# Altium PCB OZ440-SE100-CAR003.PcbDoc (part 3 of 5)
Units mm, origin at the board's own origin, x right, y up, seen from the top; angles counter-clockwise.
Board outline 187.5 x 145 mm, 6 copper layers (Top Layer, Mid-Layer 1, Mid-Layer 2, Mid-Layer 3, Mid-Layer 4, Bottom Layer), stack 1.444 mm thick; 326 components, 302 nets, 1483 pads, 1041 vias.
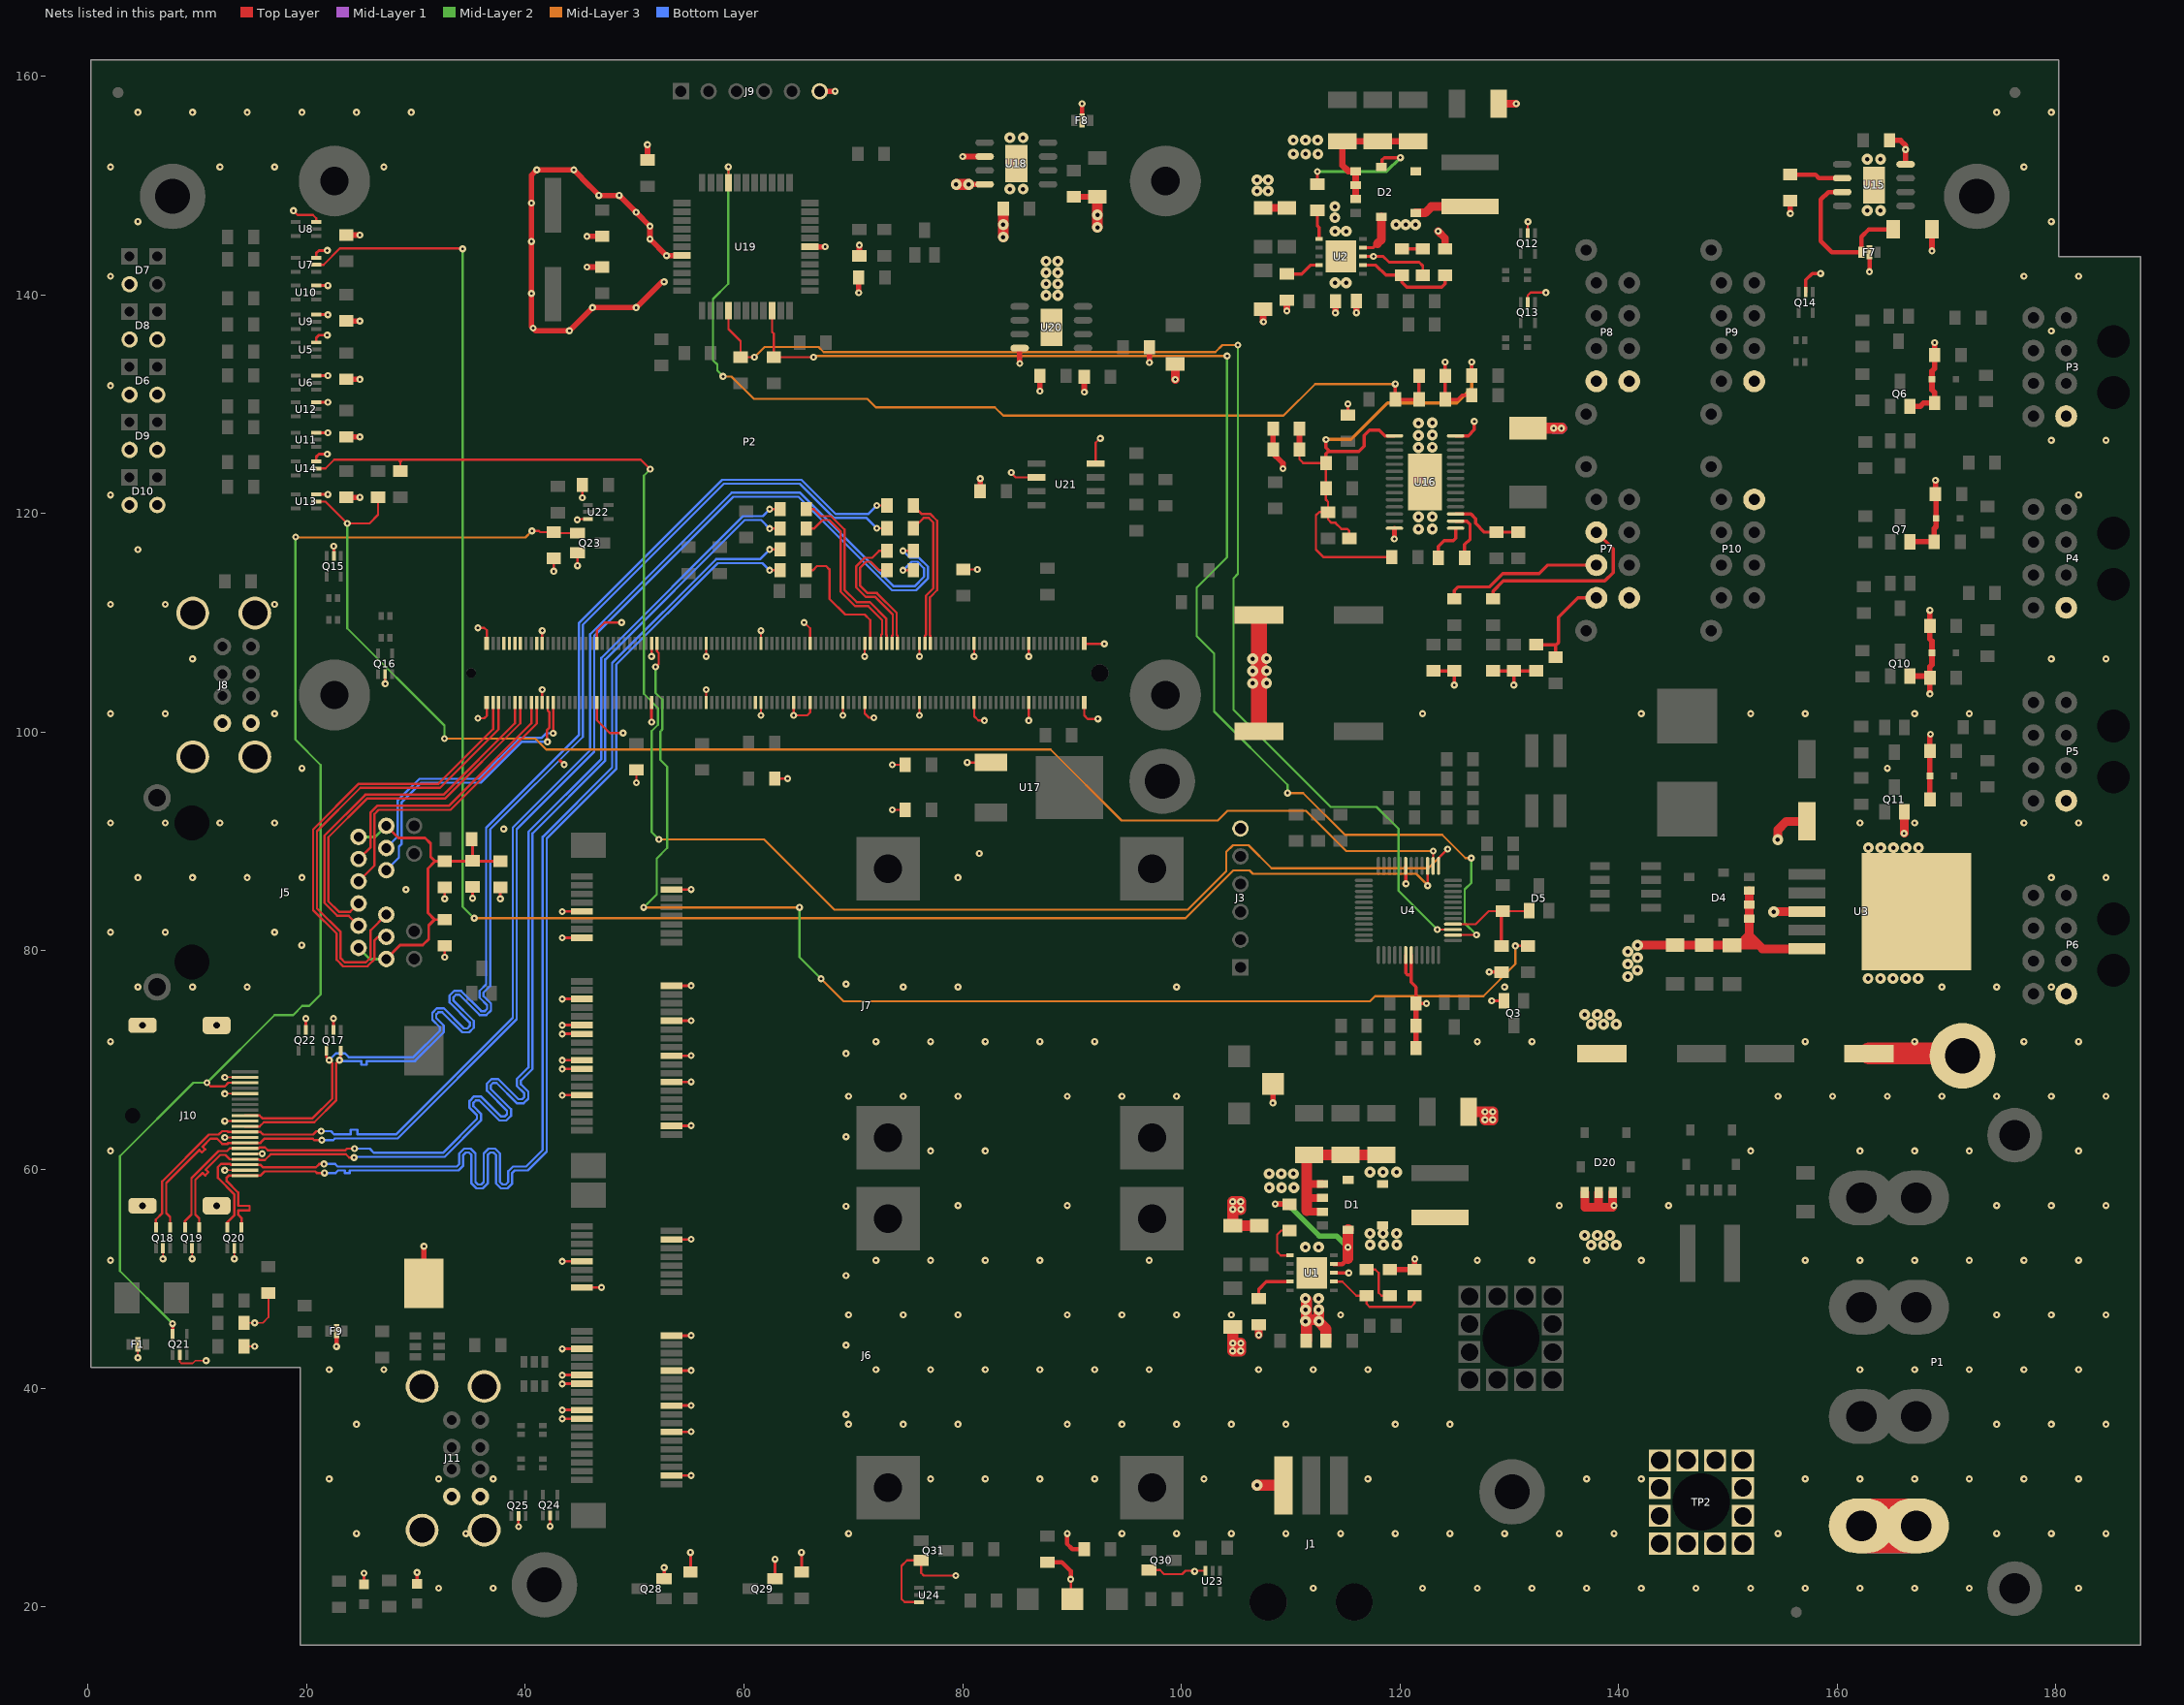
[diagram p7: the nets of this part, all layers, seen from the top]

## Via types
v1: diameter 0.65, hole 0.25, Top Layer to Bottom Layer, tented both sides, 815 vias
v2: diameter 1, hole 0.4, Top Layer to Bottom Layer, tented both sides, 222 vias
v3: diameter 1.1, hole 1.1, Top Layer to Bottom Layer, tented both sides, 2 vias
v4: diameter 1.6, hole 1.6, Top Layer to Bottom Layer, tented both sides, 2 vias

## Nets (pads, with @x,y where several pads share a name; then routed paths per layer and width w, separated by ;. In a path a pad name is that pad's centre, name@x,y a point inside that pad or via, vN(x,y) a via of type N, cw(c..) or ccw(c..) an arc to the next point about the centre after c; other vN are vias at no path point) (continued)
DPX_LANE0_P: C67.2 P2.B71 | length 11.8
  Top Layer w0.21: C67.2@65.703,114.808 66.294,114.808 66.675,115.189 67.523,115.189 67.818,114.894 67.818,112.204 69.257,110.765 71.041,110.765 71.552,110.254 P2.B71@71.552,108.11
DPX_LANE1_N: C70.2 P2.B74 | length 17
  Top Layer w0.21: C70.2@65.703,120.396 66.395,120.396 67.03,119.762 67.967,119.762 69.194,118.535 69.194,113.018 70.325,111.887 71.523,111.887 73.004,110.406 73.004,108.945 73.052,108.897 P2.B74@73.052,108.11
DPX_LANE1_P: C69.2 P2.B73 | length 16.5
  Top Layer w0.21: C69.2@65.703,118.618 66.395,118.618 67.179,119.402 67.818,119.402 68.834,118.386 68.834,112.869 70.176,111.527 71.374,111.527 72.644,110.257 72.644,108.989 72.552,108.897 P2.B73@72.552,108.11
DPX_LANE2_N: C72.2 P2.B76 | length 11.9
  Top Layer w0.21: C72.2@73.095,114.808 72.364,114.808 71.58,115.592 71.19,115.592 70.612,115.014 70.612,113.411 71.297,112.726 72.158,112.726 73.969,110.915 73.969,108.904 74.052,108.821 P2.B76@74.052,108.11
DPX_LANE2_P: C71.2 P2.B75 | length 12.4
  Top Layer w0.21: C71.2@73.095,116.586 72.364,116.586 71.73,115.952 71.041,115.952 70.252,115.163 70.252,113.262 71.148,112.366 72.009,112.366 73.609,110.766 73.609,108.878 73.552,108.821 P2.B75@73.552,108.11
DPX_LANE3_N: C74.2 P2.B82 | length 14.3
  Top Layer w0.21: C74.2@75.495,120.732 76.278,119.95 ; 76.278,119.95 77.06,119.95 77.678,119.333 77.678,113.005 77.013,112.341 77.013,108.86 77.052,108.821 P2.B82@77.052,108.11
DPX_LANE3_P: C73.2 P2.B81 | length 13.8
  Top Layer w0.21: C73.2@75.495,118.658 76.427,119.59 76.911,119.59 77.318,119.184 77.318,113.154 76.653,112.49 76.653,108.922 76.552,108.821 P2.B81@76.552,108.11
DPX_UF_LANE0_N: C68.1 J10.3 Q20.5 | length 115.2
  Top Layer w0.21: Q20.5@12.743,54.703 12.743,55.161 13.383,55.801 13.383,57.737 11.884,59.236 11.884,60.223 12.169,60.508 13,60.508 13.081,60.427 14.358,60.427 J10.3@14.367,60.436 15.77,60.436 16.016,60.191 ; 16.016,60.191 20.846,60.191 21.158,60.503 v1(21.59,60.503) ; v1(62.357,116.713) C68.1@63.303,116.713
  Bottom Layer w0.21: v1(21.59,60.503) 22.606,60.503 22.835,60.274 23.935,60.274 33.734,60.274 33.965,60.505 33.965,61.473 34.406,61.914 35.004,61.914 35.445,61.473 35.445,58.865 35.676,58.634 35.974,58.634 36.205,58.865 36.205,61.473 36.646,61.914 37.244,61.914 37.685,61.473 37.685,58.865 37.916,58.634 38.214,58.634 38.445,58.865 38.445,59.833 38.886,60.274 40.075,60.274 41.601,61.8 41.601,90.421 47.951,96.771 47.951,106.321 57.454,115.824 61.467,115.824 ; 61.472,115.828 v1(62.357,116.713)
DPX_UF_LANE0_P: C67.1 J10.1 Q20.4 | length 115.5
  Top Layer w0.21: Q20.4@14.043,54.703 14.043,55.576 13.743,55.876 13.743,56.261 14.783,56.261 14.783,56.681 13.743,56.681 13.743,57.886 12.696,58.934 12.696,59.257 12.875,59.436 J10.1@14.367,59.436 15.77,59.436 16.165,59.831 20.799,59.831 20.944,59.686 v1(21.641,59.686) ; v1(62.357,114.808) C67.1@63.303,114.808
  Bottom Layer w0.21: v1(21.641,59.686) 22.657,59.686 22.885,59.914 23.515,59.914 23.515,59.674 23.935,59.674 23.935,59.914 33.884,59.914 34.325,60.356 34.325,61.324 34.556,61.554 34.854,61.554 35.085,61.324 35.085,58.716 35.526,58.274 36.124,58.274 36.565,58.716 36.565,61.324 36.796,61.554 37.094,61.554 37.325,61.324 37.325,58.716 37.766,58.274 38.364,58.274 38.805,58.716 38.805,59.684 39.036,59.914 40.224,59.914 41.961,61.651 41.961,90.272 48.311,96.622 48.311,106.172 57.603,115.464 61.701,115.464 v1(62.357,114.808)
DPX_UF_LANE1_N: C70.1 J10.6 Q19.5 | length 113.7
  Top Layer w0.21: Q19.5@8.881,54.703 8.881,55.294 9.467,55.88 9.467,59.194 11.964,61.691 12.73,61.691 ; 12.731,61.691 12.976,61.936 J10.6@14.367,61.936 15.616,61.936 15.704,62.024 16.185,62.024 16.443,61.766 23.546,61.766 23.691,61.911 v1(24.388,61.911) ; v1(62.357,120.396) C70.1@63.303,120.396
  Bottom Layer w0.21: v1(24.388,61.911) 25.769,61.911 26.162,61.519 32.475,61.519 35.585,64.629 35.585,64.955 34.901,65.64 34.901,66.264 35.323,66.686 35.947,66.686 37.791,64.842 38.117,64.842 38.329,65.054 38.329,65.38 36.485,67.224 36.485,67.848 36.907,68.27 37.531,68.27 39.375,66.426 39.701,66.426 39.913,66.637 39.913,66.964 39.228,67.648 39.228,68.272 40.303,69.347 40.303,90.901 46.96,97.558 46.96,106.8 59.922,119.762 61.722,119.762 ; 61.723,119.762 v1(62.357,120.396)
DPX_UF_LANE1_P: C69.1 J10.4 Q19.4 | length 113.7
  Top Layer w0.21: Q19.4@10.181,54.703 10.181,55.526 9.827,55.88 9.827,59.045 10.48,59.698 10.72,59.457 11.017,59.754 10.777,59.995 12.113,61.331 12.581,61.331 12.976,60.936 J10.4@14.367,60.936 15.633,60.936 15.704,60.864 16.185,60.864 16.726,61.406 23.546,61.406 ; 23.593,61.406 23.905,61.094 v1(24.337,61.094) ; v1(62.357,118.618) C69.1@63.303,118.618
  Bottom Layer w0.21: v1@24.337,61.159 32.624,61.159 35.945,64.48 35.945,65.104 35.261,65.789 35.261,66.115 35.472,66.326 35.798,66.326 37.642,64.482 38.267,64.482 38.689,64.904 38.689,65.529 36.845,67.373 36.845,67.699 37.056,67.91 37.382,67.91 39.226,66.066 39.85,66.066 40.273,66.488 40.273,67.113 39.588,67.797 39.588,68.123 40.663,69.198 40.663,90.752 47.32,97.409 47.32,106.651 60.071,119.402 61.573,119.402 v1(62.357,118.618)
DPX_UF_LANE2_N: C72.1 J10.9 Q18.5 | length 126.1
  Top Layer w0.21: Q18.5@6.214,54.703 6.214,55.421 6.8,56.007 6.8,58.916 11.075,63.191 11.963,63.191 12.279,63.508 12.76,63.508 12.831,63.436 J10.9@14.367,63.436 15.77,63.436 16.016,63.191 ; 16.016,63.191 20.595,63.191 20.907,63.503 v1(21.339,63.503) ; v1(74.549,114.808) C72.1@75.495,114.808
  Bottom Layer w0.21: v1(21.339,63.503) 22.222,63.503 22.521,63.204 24.046,63.204 24.046,63.644 24.656,63.644 24.656,63.204 28.178,63.204 38.858,73.884 38.858,91.284 45.944,98.371 45.944,108.963 58.88,121.899 65.147,121.899 73.703,113.342 75.598,113.342 76.479,114.224 76.479,114.982 75.87,115.592 75.333,115.592 v1(74.549,114.808)
DPX_UF_LANE2_P: C71.1 J10.7 Q18.4 | length 126.4
  Top Layer w0.21: Q18.4@7.514,54.703 7.514,55.653 7.16,56.007 7.16,58.767 10.185,61.792 10.425,61.551 10.722,61.848 10.482,62.089 11.224,62.831 11.796,62.831 12.279,62.348 12.76,62.348 12.848,62.436 J10.7@14.367,62.436 15.77,62.436 16.165,62.831 20.547,62.831 20.693,62.686 v1(21.389,62.686) ; v1(74.549,116.586) C71.1@75.495,116.586
  Bottom Layer w0.21: v1(21.389,62.686) 22.428,62.686 22.587,62.844 28.327,62.844 39.218,73.735 39.218,91.135 46.304,98.222 46.304,108.814 59.03,121.539 64.997,121.539 73.554,112.982 75.747,112.982 76.839,114.075 76.839,115.132 76.019,115.952 75.184,115.952 v1(74.549,116.586)
DPX_UF_LANE3_N: C74.1 J10.12 Q17.4 | length 113.9
  Top Layer w0.21: J10.12@14.367,64.936 15.694,64.936 15.94,64.691 20.555,64.691 22.352,66.488 22.352,69.723 v1(22.073,70.002) 21.814,70.261 Q17.4@21.814,70.871 ; v1(72.149,120.732) C74.1@73.095,120.732
  Bottom Layer w0.21: v1(22.073,70.002) 22.708,70.637 23.495,70.637 23.851,70.282 29.768,70.282 32.182,72.696 32.182,73.022 31.498,73.707 31.498,74.331 31.92,74.753 32.544,74.753 34.388,72.909 34.714,72.909 34.926,73.121 34.926,73.447 33.082,75.291 33.082,75.915 33.504,76.337 34.128,76.337 35.972,74.493 36.298,74.493 36.51,74.704 36.51,75.031 35.825,75.715 35.825,76.339 36.424,76.938 36.424,91.245 44.903,99.724 44.903,109.975 58.016,123.088 65.264,123.088 68.402,119.95 71.366,119.95 v1(72.149,120.732)
DPX_UF_LANE3_P: C73.1 J10.10 Q17.5 | length 113.9
  Top Layer w0.21: J10.10@14.367,63.936 15.694,63.936 16.089,64.331 20.704,64.331 22.712,66.339 22.712,69.723 23.002,70.013 23.114,70.125 Q17.5@23.114,70.871 ; v1(72.149,118.658) C73.1@73.095,118.658
  Bottom Layer w0.21: v1(23.012,70.002) 23.093,69.922 24.993,69.922 24.993,69.582 25.503,69.582 25.503,69.922 29.917,69.922 32.542,72.547 32.542,73.171 31.858,73.856 31.858,74.182 32.069,74.393 32.395,74.393 34.239,72.549 34.864,72.549 35.286,72.971 35.286,73.596 33.442,75.44 33.442,75.766 33.653,75.977 33.979,75.977 35.823,74.133 36.447,74.133 36.87,74.555 36.87,75.18 36.185,75.864 36.185,76.19 36.784,76.789 36.784,91.095 45.263,99.575 45.263,109.826 58.165,122.728 65.115,122.728 68.253,119.59 71.217,119.59 v1(72.149,118.658)
FDC_IN1: P7.7 R77.2 | length 14.7
  Top Layer w0.3: R77.2@124.969,112.198 124.969,112.955 125.298,113.284 128.169,113.284 129.388,114.503 132.74,114.503 133.522,115.285 P7.7@137.97,115.285
FDC_IN2: P7.6 R78.2 | length 16.7
  Top Layer w0.3: R78.2@128.509,112.198 128.509,112.888 129.464,113.843 138.735,113.843 139.497,114.605 139.497,116.758 P7.6@137.97,118.285
HOT_PLUG_CN: J10.18 Q21.5 Q23.1 R104.2 | length 115.6
  Top Layer w0.2: v1(10.894,67.945) 11.224,67.615 12.52,67.615 12.841,67.936 J10.18@14.367,67.936 ; v1(40.615,118.415) 41.25,118.415 41.377,118.288 R104.2@42.601,118.288 ; R104.2@42.607,118.294 R104.2@42.601,118.288 ; Q23.1@44.777,118.202 42.687,118.202 R104.2@42.601,118.288
  Top Layer w0.3: Q21.5@7.747,44.953 v1(7.747,45.898)
  Mid-Layer 2 w0.2: v1(7.747,45.898) 2.921,50.724 2.921,61.214 9.652,67.945 v1(10.894,67.945) 17.066,74.117 18.771,74.117 19.609,74.955 20.244,74.955 21.285,75.997 21.285,97.003 18.974,99.314 18.974,117.653 19.126,117.805 19.075,117.856 v1(18.999,117.856)
  Mid-Layer 3 w0.2: v1(18.999,117.856) 19.05,117.805 40.005,117.805 v1(40.615,118.415)
I2C_CLK: R94.1 U4.39 U19.37 | length 116.3
  Top Layer w0.2: U19.37@58.579,138.549 58.579,136.874 59.69,135.763 R94.1@59.69,134.296 v1(60.96,134.296) ; v1(123.419,81.943) U4.39@124.852,81.943
  Mid-Layer 2 w0.2: v1(105.181,135.407) 105.181,114.478 104.775,114.071 104.775,102.057 113.665,93.167 117.856,93.167 119.863,91.161 119.863,85.499 v1(123.419,81.943)
  Mid-Layer 3 w0.2: v1(60.96,134.296) 61.894,135.23 66.827,135.23 67.29,134.767 103.118,134.767 103.759,135.407 v1(105.181,135.407)
I2C_DAT: R95.1 U4.38 U19.42 | length 119.5
  Top Layer w0.2: U19.42@62.579,138.549 62.586,138.542 62.586,136.601 62.738,136.449 R95.1@62.738,134.296 v1(66.37,134.296) ; U4.38@124.852,81.443 124.867,81.458 v1(127,81.458)
  Mid-Layer 2 w0.2: v1(104.191,134.417) 104.191,116.002 101.406,113.217 101.406,108.779 102.997,107.188 102.997,101.905 109.728,95.174 v1(109.728,94.437) ; v1(126.517,88.494) 126.517,86.208 125.933,85.623 125.933,82.525 v1(127,81.458)
  Mid-Layer 3 w0.2: v1(66.37,134.296) 66.491,134.417 v1(104.191,134.417) ; v1(109.728,94.437) 111.15,94.437 114.97,90.618 123.86,90.618 125.984,88.494 v1(126.517,88.494)
LED2_OC: R64.1 U4.2 U13.2 | length 128.6
  Top Layer w0.2: U13.2@20.889,121.101 21.723,121.101 v1(23.724,119.101) 25.756,119.101 26.543,119.888 R64.1@26.543,121.482 ; U4.2@123.027,87.768 123.038,87.779 v1(123.038,89.129)
  Mid-Layer 2 w0.2: v1(23.724,119.101) 23.724,109.499 32.611,100.612 v1(32.611,99.418)
  Mid-Layer 3 w0.2: v1(32.611,99.418) 40.917,99.418 41.926,98.409 88.053,98.409 94.539,91.923 103.327,91.923 104.216,92.812 111.404,92.812 115.087,89.129 v1(123.038,89.129)
LED3_OC: R82.1 U4.1 U14.2 | length 149.7
  Top Layer w0.2: U14.2@20.889,124.119 21.735,124.119 22.533,124.917 28.372,124.917 ; R82.1@28.575,123.882 28.575,124.714 ; 28.829,124.917 50.571,124.917 v1(51.435,124.054) ; U4.1@123.527,87.768 123.527,88.475 v1(124.358,89.306) ; 28.372,124.917 28.575,124.714 ; 28.372,124.917 28.575,124.917 ; 28.575,124.714 28.575,124.917 ; 28.575,124.714 28.778,124.917 28.575,124.917
  Mid-Layer 2 w0.2: v1(51.435,124.054) 50.851,123.469 50.851,103.505 52.141,102.215 52.141,100.679 51.562,100.1 51.562,90.856 v1(52.222,90.195)
  Mid-Layer 3 w0.2: v1(52.222,90.195) 61.849,90.195 68.275,83.769 100.584,83.769 104.115,87.3 104.115,89.052 104.724,89.662 106.147,89.662 108.255,87.554 122.606,87.554 v1(124.358,89.306)
LOGIC_POWER.GND_1: C1.2 C2.2 C3.2 C5.1 C6.1 C7.1 C8.1 C10.1 C11.1 C12.2 C13.2 C14.2 C16.1 C17.1 C18.1 C19.1 C21.1 C22.1 C23.1 C24.1 C25.1 C26.2 C27.1 C28.1 C29.1 C30.1 C31.1 C32.1 C33.1 C34.1 C35.1 C36.1 C37.1 C38.1 C39.1 C40.1 C41.1 C42.1 C43.1 C44.1 C46.2 C48.1 C49.1 C50.2 C51.1 C52.1 C53.1 C54.1 C55.1 C56.1 C57.1 C58.1 C59.1 C60.1 C61.2 C62.1 C63.1 C64.1 C65.1 C66.1 C75.1 C76.2 C77.2 C78.1 C79.1 D1.1 D1.2 D1.3 D2.1 D2.2 D2.3 D4.1 D4.2 D4.3 D6.K1 D6.K2 D7.K1 D8.K1 D8.K2 D9.K1 D9.K2 D10.K1 D10.K2 D11.A D12.A D13.A D14.A D17.2 D18.2 D20.1 D20.2 D20.3 F1.3 F7.3 F8.3 F9.3 J1.3 J2.2 J3.6 J6.4 J6.9 J6.15 J6.18 J6.21 J6.26 J6.27 J6.29 J6.34 J6.35 J6.37 J6.40 J6.50 J7.4 J7.9 J7.15 J7.18 J7.21 J7.26 J7.27 J7.29 J7.34 J7.35 J7.37 J7.40 J7.43 J7.50 J8.A4 J8.B4 J8.M1 J8.M2 J8.M3 J8.M4 J9.6 J10.2 J10.5 J10.8 J10.11 J10.16 J10.19 J10.M1 J10.M2 J10.M3 J10.M4 J11.A4 J11.B4 J11.M1 J11.M2 J11.M3 J11.M4 P1.4 P2.A1 P2.A11 P2.A21 P2.A31 P2.A41 P2.A51 P2.A57 P2.A60 P2.A66 P2.A70 P2.A80 P2.A90 P2.A100 P2.A110 P2.B1 P2.B11 P2.B21 P2.B31 P2.B41 P2.B51 P2.B60 P2.B70 P2.B80 P2.B90 P2.B100 P2.B110 P3.1 P4.1 P5.1 P6.1 P7.4 P8.4 P8.8 P9.4 P10.1 pad.0@171.45,70.403 Q3.2 Q6.2 Q7.2 Q10.2 Q11.2 Q12.2 Q13.2 Q14.2 Q15.2 Q16.2 Q17.2 Q18.2 Q19.2 Q20.2 Q21.2 Q22.2 Q23.2 Q24.2 Q25.2 Q28.2 Q29.2 Q30.2 Q31.2 R1.1 R2.1 R5.1 R6.2 R7.1 R9.1 R10.2 R11.1 R13.2 R24.1 R25.1 R43.1 R50.1 R57.1 R60.1 R63.1 R67.1 R73.1 R74.1 R76.1 R79.1 R80.1 R86.1 R96.1 R101.1 R102.1 R104.1 R111.1 R112.1 R113.1 TP2.1 TP5.1 TP_GND_CAN.1 U1.8 U1.11 U2.8 U2.11 U3.3 U3.5 U3.6 U4.7 U4.30 U4.31 U5.3 U6.3 U7.3 U8.3 U9.3 U10.3 U11.3 U12.3 U13.3 U14.3 U15.4 U15.9 U16.14 U16.28 U16.29 U17.1 U18.2 U18.4 U18.9 U19.6 U19.29 U20.4 U20.9 U21.2 U21.8 U22.3 U23.3 U24.3 | length 505.9
  Top Layer w0.15: v1(4.572,42.786) F1.3@4.572,43.764 ; v1(6.864,51.825) Q18.2@6.864,52.803 ; Q21.2@8.397,43.053 8.397,42.403 8.534,42.266 9.576,42.266 9.83,42.52 v1(10.808,42.52) ; v1(9.531,51.825) Q19.2@9.531,52.803 ; v1(12.519,59.928) 12.528,59.936 J10.2@14.367,59.936 ; v1(12.519,62.928) 12.528,62.936 J10.8@14.367,62.936 ; v1(12.519,64.428) 12.528,64.436 J10.11@14.367,64.436 ; v1(12.519,66.928) 12.528,66.936 J10.16@14.367,66.936 ; v1(12.519,68.428) 12.528,68.436 J10.19@14.367,68.436 ; v1(13.393,51.825) Q20.2@13.393,52.803 ; J10.5@14.097,61.436 J10.5@14.367,61.436 15.936,61.436 v1(15.945,61.444) ; R102.1@14.281,43.819 v1(15.259,43.819) ; R101.1@14.281,45.977 v1(15.259,45.977) 16.005,45.977 16.51,46.482 C79.1@16.51,48.711
  Top Layer w0.2: v1(18.796,147.701) 19.177,147.32 20.574,147.32 20.889,147.005 U8.3@20.889,146.678 ; v1(35.662,101.27) 36.253,101.27 36.477,101.493 P2.A1@36.477,102.71 ; v1(35.662,109.55) 36.253,109.55 36.477,109.327 P2.B1@36.477,108.11 ; P2.A11@41.552,102.71 41.552,103.884 v1(41.554,103.886) ; P2.B11@41.552,108.11 41.552,109.284 v1(41.554,109.286) ; v1(42.605,114.718) 42.607,114.72 R104.1@42.607,115.894 ; v1(44.755,119.431) 44.816,119.492 U22.3@45.721,119.492 ; v1(44.775,115.226) 44.777,115.228 Q23.2@44.777,116.402 ; v1(45.215,121.449) 45.217,121.451 C75.1@45.217,122.625 ; P2.A21@46.552,102.71 46.552,101.098 47.721,99.929 48.94,99.929 v1(48.946,99.924) ; P2.B21@46.552,108.11 46.552,109.315 47.269,110.033 v1(48.819,110.033) ; v1(50.163,95.377) 50.165,95.379 R2.1@50.165,96.553 ; v1(51.55,106.934) 51.552,106.936 P2.B31@51.552,108.11 ; v1(56.55,106.934) 56.552,106.936 P2.B41@56.552,108.11 ; P2.A41@56.552,102.71 56.552,103.884 v1(56.554,103.886) ; v1(61.55,101.534) 61.552,101.536 P2.A51@61.552,102.71 ; P2.B51@61.552,108.11 61.552,109.284 v1(61.554,109.286) ; R13.2@62.82,95.758 63.994,95.758 v1(63.996,95.756) ; P2.A57@64.552,102.71 64.552,101.536 v1(64.55,101.534) 65.785,101.534 66.052,101.801 P2.A60@66.052,102.71 ; v1(65.507,110.033) 66.052,109.487 P2.B60@66.052,108.11 ; v1(69.05,101.534) 69.052,101.536 P2.A66@69.052,102.71 ; v1(71.05,106.934) 71.052,106.936 P2.B70@71.052,108.11 ; P2.A70@71.052,102.71 71.052,101.719 71.45,101.321 v1(71.882,101.321) ; v1(73.57,92.901) 73.572,92.899 C54.1@74.746,92.899 ; v1(73.57,97.021) 73.572,97.019 C55.1@74.746,97.019 ; U24.3@76.012,20.432 74.691,20.432 74.422,20.701 74.422,23.749 74.919,24.246 Q31.2@76.211,24.246 76.211,23.103 76.454,22.86 v1(79.375,22.86) ; v1(76.05,101.534) 76.052,101.536 P2.A80@76.052,102.71 ; v1(76.05,106.934) 76.052,106.936 P2.B80@76.052,108.11 ; R1.1@80.052,114.878 81.375,114.878 81.382,114.884 v1(81.356,114.884) ; v1(80.416,97.231) 80.424,97.224 U17.1@82.595,97.224 ; v1(81.05,106.934) 81.052,106.936 P2.B90@81.052,108.11 ; P2.A90@81.052,102.71 81.052,101.459 81.445,101.067 v1(81.991,101.067) ; v1(84.455,123.749) 84.455,123.698 84.848,123.305 U21.2@86.755,123.305 ; v1(86.05,106.934) 86.052,106.936 P2.B100@86.052,108.11 ; v1(86.052,101.067) P2.A100@86.052,102.71 ; P2.A110@91.127,102.71 91.127,101.536 91.125,101.534 91.44,101.219 v1(92.38,101.219) ; P2.B110@91.127,108.11 91.127,108.077 v1(92.964,108.077) ; U21.8@92.155,124.575 92.155,126.482 92.548,126.875 v1(92.599,126.875) ; Q30.2@97.039,23.357 98.055,23.357 98.425,22.987 100.076,22.987 100.391,23.302 v1@101.28,23.302 ; v1(101.219,23.241) v1@101.28,23.302 ; U23.3@102.22,23.302 v1@101.28,23.302 ; Q13.2@131.695,139.332 131.695,139.95 131.953,140.208 v1(133.35,140.208) ; Q12.2@131.695,145.654 131.695,146.67 v1(131.71,146.685)
  Top Layer w0.21: v1(39.385,27.333) Q25.2@39.385,28.321 ; v1(42.269,27.365) Q24.2@42.269,28.353
  Top Layer w0.25: Q22.2@19.924,72.771 v1(19.924,73.806) ; U13.3@20.889,121.751 21.937,121.751 v1(21.946,121.742) ; U14.3@20.889,124.769 20.889,125.193 21.133,125.436 v1(21.895,125.436) ; U11.3@20.889,127.396 21.937,127.396 v1(21.946,127.387) ; U12.3@20.889,130.19 21.937,130.19 v1(21.946,130.181) ; U6.3@20.889,132.62 21.937,132.62 v1(21.946,132.611) ; U5.3@20.889,135.651 20.889,136.075 21.133,136.318 v1(21.895,136.318) ; U9.3@20.889,138.191 21.937,138.191 v1(21.946,138.182) ; U10.3@20.889,140.858 21.937,140.858 v1(21.946,140.849) ; U7.3@20.889,143.398 20.889,143.822 21.133,144.065 v1(21.895,144.065) ; Q17.2@22.464,72.771 v1(22.464,73.806) ; v1(22.479,117.018) 22.489,117.007 Q15.2@22.489,116.129 ; Q16.2@27.178,105.322 27.178,104.443 v1(27.188,104.433) ; v1(32.639,79.426) C34.1@32.639,80.461 ; v1(32.639,84.76) C37.1@32.639,85.795 ; v1(35.179,84.811) C36.1@35.179,85.846 ; v1(37.719,84.76) C35.1@37.719,85.795 ; v1(43.383,37.189) 43.397,37.203 J6.37@45.176,37.203 ; v1(43.383,37.989) 43.397,38.003 J6.35@45.176,38.003 ; v1(43.383,40.389) 43.397,40.403 J6.29@45.176,40.403 ; v1(43.383,41.189) 43.397,41.203 J6.27@45.176,41.203 ; v1(43.383,43.589) 43.397,43.603 J6.21@45.176,43.603 ; v1(43.383,51.589) 43.397,51.603 J6.9@45.176,51.603 ; v1(43.383,66.789) 43.397,66.803 J7.43@45.176,66.803 ; v1(43.383,69.189) 43.397,69.203 J7.37@45.176,69.203 ; v1(43.383,69.989) 43.397,70.003 J7.35@45.176,70.003 ; v1(43.383,72.389) 43.397,72.403 J7.29@45.176,72.403 ; v1(43.383,73.189) 43.397,73.203 J7.27@45.176,73.203 ; v1(43.383,75.589) 43.397,75.603 J7.21@45.176,75.603 ; v1(43.383,81.189) 43.397,81.203 J7.15@45.176,81.203 ; v1(43.383,83.589) 43.397,83.603 J7.9@45.176,83.603 ; J6.15@45.176,49.203 46.955,49.203 v1(46.969,49.217) ; P2.A31@51.552,102.71 51.552,100.931 v1(51.566,100.917) ; J6.50@53.376,32.003 55.155,32.003 v1(55.169,32.017) ; J6.40@53.376,36.003 55.155,36.003 v1(55.169,36.017) ; J6.34@53.376,38.403 55.155,38.403 v1(55.169,38.417) ; J6.26@53.376,41.603 55.155,41.603 v1(55.169,41.617) ; J6.18@53.376,44.803 55.155,44.803 v1(55.169,44.817) ; J6.4@53.376,53.603 55.155,53.603 v1(55.169,53.617) ; J7.50@53.376,64.003 55.155,64.003 v1(55.169,64.017) ; J7.40@53.376,68.003 55.155,68.003 v1(55.169,68.017) ; J7.34@53.376,70.403 55.155,70.403 v1(55.169,70.417) ; J7.26@53.376,73.603 55.155,73.603 v1(55.169,73.617) ; J7.18@53.376,76.803 55.155,76.803 v1(55.169,76.817) ; J7.4@53.376,85.603 55.155,85.603 v1(55.169,85.617) ; v1(55.104,24.975) 55.118,24.961 R111.1@55.118,23.182 ; v1(62.84,24.35) 62.854,24.336 Q29.2@62.854,22.557 ; v1(65.264,24.975) 65.278,24.961 R112.1@65.278,23.182 ; v1(89.888,22.516) 89.902,22.502 TP5.1@89.902,20.723 ; v1(117.577,143.521) 118.455,143.521 118.999,142.977 121.768,142.977 122.09,142.655 R11.1@122.09,141.802
  Top Layer w0.3: D17.2@25.248,22.049 v1(25.248,23.079) ; D18.2@30.098,22.109 v1(30.098,23.139) ; 43.18,97.409 v1(43.561,97.028) ; Q28.2@52.699,22.557 v1(52.699,23.587) ; U1.8@113.944,50.546 v1(115.316,50.546) ; R74.1@115.239,129.006 v1(115.239,130.023) ; U2.8@116.605,143.521 v1(117.577,143.521) ; v1(119.482,117.678) v1@119.495,117.678 ; U4.30@120.527,79.618 120.527,77.961 120.687,77.8 121.027,77.8 ; U4.7@120.527,87.768 120.527,86.153 v1(120.548,86.131) ; U4.31@121.027,79.618 121.027,77.8 ; v1(122.428,75.184) C28.1@121.469,75.184 121.469,76.676 121.027,77.118 121.027,77.8 ; C52.1@123.064,105.607 R79.1@124.969,105.607 124.969,104.319 v1(124.968,104.318) ; v1(124.13,133.858) 124.142,133.846 C51.1@124.142,132.596 R76.1@124.142,130.437 125.281,130.437 125.669,130.825 R67.1@126.568,130.825 ; U16.14@125.095,127.108 126.244,127.108 126.797,127.66 v1(126.797,128.422) ; v1(128.169,78.065) 128.18,78.054 C27.1@129.286,78.054 ; v1(128.397,75.438) 128.408,75.427 Q3.2@129.514,75.427 ; R80.1@128.509,105.607 C53.1@130.414,105.607 ; v1(130.413,104.318) C53.1@130.414,105.607 ; C44.1@132.461,105.607 C53.1@130.414,105.607 ; Q14.2@157.109,140.259 157.109,141.361 157.709,141.961 v1(158.471,141.961)
  Top Layer w0.4: v1(22.733,43.815) F9.3@22.733,45.212 ; C78.1@87.757,24.073 89.084,24.073 89.888,23.269 v1(89.888,22.516) ; v1(89.571,26.699) 89.535,26.663 89.535,25.781 90.043,25.273 R113.1@91.129,25.273 ; F8.3@90.932,155.956 v1(90.932,157.48) ; v1@119.495,117.678 U16.28@119.495,118.658 ; v1(162.941,142.113) F7.3@162.941,143.891
  Top Layer w0.5: C33.1@23.622,121.482 24.86,121.482 v1(24.867,121.476) ; C32.1@23.622,127.013 24.86,127.013 v1(24.867,127.007) ; C29.1@23.622,132.277 24.86,132.277 v1(24.867,132.271) ; C31.1@23.622,137.611 24.86,137.611 v1(24.867,137.605) ; C30.1@23.622,145.472 24.86,145.472 v1(24.867,145.466) ; J2.2@30.734,49.586 v1(30.734,52.984) ; v1(45.649,142.545) 45.655,142.551 C58.1@47.052,142.551 ; v1(45.649,145.352) 45.655,145.358 C60.1@47.052,145.358 ; v1(51.175,153.733) 51.181,153.727 C61.2@51.181,152.33 ; v1(52.699,141.199) 52.502,141.199 v1(50.14,138.836) v1(46.152,138.836) v1(44.036,136.72) 40.953,136.72 v1(40.716,136.957) 40.552,137.121 40.552,150.94 v1(41.046,151.435) v1(44.439,151.435) 45.176,150.698 45.176,150.658 v1(46.736,149.098) v1(48.59,149.098) v1(50.14,147.549) v1(51.41,146.279) v1(51.41,145.109) v1(52.926,143.593) 52.932,143.599 U19.29@54.329,143.599 ; U19.6@66.029,144.399 67.426,144.399 v1(67.433,144.405) ; J9.6@66.929,158.623 68.326,158.623 v1(68.332,158.629) ; C59.1@70.495,141.605 70.495,140.208 v1(70.501,140.202) ; C63.1@70.552,143.58 v1(70.552,144.551) ; v1(80.01,152.654) U18.2@82.016,152.654 ; v2(80.556,150.114) U18.4@82.016,150.114 ; C66.1@81.604,122.035 81.604,123.184 v1(81.61,123.19) ; U20.4@85.217,135.134 85.217,133.737 v1(85.223,133.731) ; R96.1@87.065,132.594 87.065,131.197 v1(87.071,131.191) ; C57.1@90.152,148.948 C57.1@90.17,148.966 90.178,148.974 C56.1@92.329,148.974 ; C62.1@91.129,132.506 91.129,131.109 v1(91.135,131.103) ; C65.1@97.085,135.223 97.085,133.826 v1(97.091,133.82) ; v1@99.441,132.273 v1(99.447,132.267) ; v1(108.382,66.091) TP_GND_CAN.1@108.382,67.843 ; C48.1@108.401,127.762 C49.1@108.401,125.857 108.214,125.67 109.296,124.587 v1(109.296,124.104) ; R7.1@119.07,50.857 C11.1@121.342,50.857 121.342,51.797 v1(121.361,51.816) ; R24.1@121.469,71.12 R25.1@121.469,73.152 C28.1@121.469,75.184 ; v1(155.702,147.447) C39.1@155.702,148.609 ; R43.1@164.776,154.127 165.786,154.127 166.243,153.67 v1(166.243,153.289) U15.4@166.243,151.944 ; Q10.2@166.635,105.134 C42.1@168.304,105.134 ; Q7.2@166.635,117.422 C41.1@168.842,117.422 ; Q6.2@166.635,129.805 167.581,129.805 167.894,130.118 C40.1@168.904,130.118 168.904,131.072 168.656,131.32 D11.A@168.656,132.277 168.656,133.026 168.904,133.274 R50.1@168.904,134.493 v1(168.904,135.636) ; R63.1@168.472,93.851 D14.A@168.472,96.01 C43.1@168.472,98.296 168.472,99.752 v1(168.529,99.809) ; v1(168.472,103.505) C42.1@168.472,104.966 168.472,105.991 168.656,106.175 D13.A@168.656,107.252 168.656,108.331 168.472,108.515 R60.1@168.472,109.734 v1(168.472,111.149) ; C38.1@168.653,145.999 168.653,144.021 v1(168.656,144.018) ; C41.1@168.853,117.411 168.853,118.618 169.037,118.802 D12.A@169.037,119.57 R57.1@169.037,121.729 ; R57.1@168.98,121.786 v1(168.98,123.038)
  Top Layer w0.6: C14.2@107.493,138.687 107.493,137.567 v1(107.518,137.541) ; v1(109.652,138.532) C21.1@109.652,139.516 ; v1(114.097,138.354) 114.103,138.36 R10.2@114.103,139.431 ; D2.3@115.951,148.769 D2.2@115.951,150.039 D2.1@115.951,151.309 115.289,151.309 114.732,151.866 C17.1@114.732,154.051 C16.1@117.971,154.051 C19.1@121.209,154.051 ; v1(116.015,138.369) 116.021,138.375 R9.1@116.021,139.446
  Top Layer w0.7: C10.1@107.084,45.79 107.084,44.854 v1(107.086,44.852) ; C13.2@107.493,147.952 C12.2@109.652,147.952 ; 111.481,56.236 111.582,56.134 D1.3@112.909,56.134 ; 111.481,57.404 D1.2@112.909,57.404 ; 111.481,58.674 D1.1@112.909,58.674 ; v1(123.495,145.821) 124.13,145.186 C22.1@124.13,144.202 ; C18.1@129.032,157.48 v1(130.632,157.48)
  Top Layer w0.8: v1@99.441,132.273 C64.1@99.441,133.67 ; D20.1@136.906,57.889 136.906,56.543 138.176,56.543 ; D20.2@138.176,57.889 138.176,56.543 ; D20.3@139.446,57.889 139.446,56.543 138.176,56.543 ; v2(141.732,80.518) 141.735,80.515 C23.1@145.161,80.515 ; C23.1@145.166,80.51 C25.1@150.368,80.51 C25.1@151.039,80.51 ; D4.3@151.943,85.496 D4.2@151.943,84.226 D4.1@151.943,82.956 151.943,81.414 ; v2(154.19,83.566) 154.219,83.595 U3.3@157.226,83.595 ; v2(154.559,90.17) 154.559,91.059 155.336,91.836 C26.2@157.226,91.836 ; U3.5@157.226,80.195 153.162,80.195 152.847,80.51 ; v1(166.116,90.754) 166.127,90.765 Q11.2@166.127,92.719 ; C25.1@151.039,80.51 152.847,80.51 ; C25.1@151.039,80.51 151.943,81.414 ; 151.943,81.414 152.847,80.51
  Top Layer w1: v2(79.413,150.114) v2(80.556,150.114) ; v2(83.716,145.288) v2(83.716,146.431) R86.1@83.716,147.891 ; v2(92.329,146.177) v2(92.329,147.32) C56.1@92.329,148.974 ; C1.2@104.705,45.596 v1(104.705,44.114) ; v2(106.934,31.115) J1.3@109.347,31.115 ; C3.2@107.118,54.861 C2.2@104.705,54.861 v1(104.705,56.343) ; R6.2@111.442,44.348 v2@111.442,46.253 ; v2@111.442,48.08 v2@111.442,46.253 ; 111.481,56.236 111.481,57.404 111.481,58.674 111.481,61.132 C7.1@111.69,61.341 C6.1@115.02,61.341 C5.1@118.294,61.341 ; v2(112.572,47.168) v2@112.572,46.077 ; R5.1@113.227,44.323 113.227,45.421 v2@112.572,46.077 ; C8.1@126.295,65.278 v1(127.777,65.278) ; R73.1@131.71,127.813 v1(134.061,127.813) ; v1@134.087,127.813 134.103,127.796 v1(134.763,127.796) ; v1(104.705,44.114) v1(105.442,44.114) 105.442,43.415 v1(105.435,43.409) 104.705,43.409 v1(104.705,44.114) ; v1(104.705,56.343) v1(105.442,56.343) 105.442,57.042 v1(105.435,57.048) 104.705,57.048 v1(104.705,56.343) ; v2@111.442,46.253 112.395,46.253 v2@112.572,46.077 ; v1(127.777,65.278) 128.482,65.278 v1(128.482,64.548) 128.476,64.541 v1(127.777,64.541) v1(127.777,65.278)
  Top Layer w1.5: C50.2@107.105,100.06 C46.2@107.105,110.728
  Top Layer w2: C77.2@162.897,70.612 171.241,70.612 pad.0@171.45,70.403
  Mid-Layer 1 w1: v1(134.061,127.813) 134.747,127.813 v1(134.763,127.796)
  other v1: 32.071,21.699 37.071,21.699 112.071,21.699 122.071,21.699 127.071,21.699 132.071,21.699 137.071,21.699 142.071,21.699 147.071,21.699 152.071,21.699 157.071,21.699 162.071,21.699 167.071,21.699 172.071,21.699 182.071,21.699 24.571,26.699 34.571,26.699 69.571,26.699 94.571,26.699 99.571,26.699 104.571,26.699 109.571,26.699 114.571,26.699 119.571,26.699 124.571,26.699 129.571,26.699 134.571,26.699 139.571,26.699 154.571,26.699 174.571,26.699 179.571,26.699 184.571,26.699 22.071,31.699 32.071,31.699 37.071,31.699 77.071,31.699 82.071,31.699 87.071,31.699 92.071,31.699 102.071,31.699 117.071,31.699 137.071,31.699 142.071,31.699 157.071,31.699 162.071,31.699 167.071,31.699 172.071,31.699 177.071,31.699 182.071,31.699 24.571,36.699 69.571,36.699 74.571,36.699 79.571,36.699 89.571,36.699 94.571,36.699 99.571,36.699 104.571,36.699 109.571,36.699 119.571,36.699 124.571,36.699 174.571,36.699 179.571,36.699 184.571,36.699 69.342,37.592 22.071,41.699 27.071,41.699 72.071,41.699 77.071,41.699 82.071,41.699 87.071,41.699 92.071,41.699 97.071,41.699 107.071,41.699 112.071,41.699 117.071,41.699 162.071,41.699 167.071,41.699 172.071,41.699 177.071,41.699 182.071,41.699 104.699,43.409 69.342,43.942 69.571,46.699 74.571,46.699 79.571,46.699 89.571,46.699 94.571,46.699 99.571,46.699 104.571,46.699 114.571,46.699 174.571,46.699 179.571,46.699 184.571,46.699 69.342,50.292 2.071,51.699 72.071,51.699 77.071,51.699 82.071,51.699 87.071,51.699 97.071,51.699 127.071,51.699 132.071,51.699 137.071,51.699 142.071,51.699 157.071,51.699 162.071,51.699 167.071,51.699 172.071,51.699 177.071,51.699 182.071,51.699 69.342,56.642 79.571,56.699 89.571,56.699 134.571,56.699 139.571,56.699 144.571,56.699 174.571,56.699 179.571,56.699 184.571,56.699 104.699,57.048 2.071,61.699 77.071,61.699 82.071,61.699 152.071,61.699 162.071,61.699 167.071,61.699 172.071,61.699 182.071,61.699 69.342,62.992 128.482,65.284 69.571,66.699 74.571,66.699 79.571,66.699 89.571,66.699 94.571,66.699 99.571,66.699 154.571,66.699 159.571,66.699 164.571,66.699 169.571,66.699 174.571,66.699 179.571,66.699 184.571,66.699 69.342,70.612 2.071,71.699 72.071,71.699 77.071,71.699 82.071,71.699 87.071,71.699 92.071,71.699 127.071,71.699 132.071,71.699 157.071,71.699 167.071,71.699 177.071,71.699 182.071,71.699 4.571,76.699 9.571,76.699 14.571,76.699 74.571,76.699 79.571,76.699 99.571,76.699 129.571,76.699 169.571,76.699 174.571,76.699 179.571,76.699 69.342,76.962 19.558,80.518 2.071,81.699 7.071,81.699 17.071,81.699 29.083,85.598 4.571,86.699 9.571,86.699 14.571,86.699 19.571,86.699 79.571,86.699 179.571,86.699 184.571,86.699 81.534,88.9 38.031,91.138 2.071,91.699 7.071,91.699 12.071,91.699 17.071,91.699 162.071,91.699 167.071,91.699 177.071,91.699 182.071,91.699 19.571,96.699 164.571,96.699 2.071,101.699 7.071,101.699 17.071,101.699 122.071,101.699 142.071,101.699 152.071,101.699 157.071,101.699 167.071,101.699 172.071,101.699 9.571,106.699 179.571,106.699 184.571,106.699 2.071,111.699 7.071,111.699 17.071,111.699 4.571,116.699 2.071,121.699 182.071,121.699 179.571,126.699 184.571,126.699 2.071,131.699 179.571,136.699 40.564,140.132 2.071,141.699 177.071,141.699 182.071,141.699 40.564,144.882 4.571,146.699 179.571,146.699 40.564,148.399 2.071,151.699 12.071,151.699 17.071,151.699 27.071,151.699 177.071,151.699 4.571,156.699 9.571,156.699 14.571,156.699 19.571,156.699 24.571,156.699 29.571,156.699 174.571,156.699 179.571,156.699
  other v2: 111.367,46.128 112.585,46.128 111.354,47.168 111.34,48.208 112.558,48.208 111.34,52.907 112.558,52.907 137.49,53.086 138.633,53.086 139.776,53.086 136.906,53.975 138.049,53.975 139.192,53.975 108.052,58.344 109.169,58.344 110.287,58.344 108.026,59.614 109.144,59.614 110.261,59.614 137.49,73.279 138.633,73.279 139.776,73.279 136.906,74.168 138.049,74.168 139.192,74.168 162.814,77.47 163.957,77.47 165.1,77.47 166.243,77.47 167.386,77.47 140.843,77.648 141.732,78.232 140.843,78.791 141.732,79.375 140.843,79.934 162.847,89.437 163.99,89.437 165.133,89.437 166.276,89.437 167.419,89.437 106.528,104.47 107.798,104.496 106.528,105.588 107.798,105.613 106.528,106.705 107.798,106.731 121.691,118.567 122.961,118.593 121.691,119.685 122.961,119.71 121.691,126.035 122.961,126.06 121.691,127.152 122.961,127.178 121.691,128.27 122.961,128.295 87.63,139.954 88.697,139.954 87.63,140.995 88.697,140.995 114.071,141.097 115.087,141.097 87.63,142.037 88.697,142.037 87.63,143.078 88.697,143.078 114.071,145.821 115.087,145.821 114.046,147.066 162.739,147.701 163.957,147.701 114.046,148.082 106.934,149.504 107.95,149.504 84.312,149.681 85.53,149.681 106.931,150.52 107.947,150.52 162.739,152.4 163.957,152.4 110.261,152.883 111.379,152.883 112.497,152.883 110.236,154.153 111.354,154.153 112.471,154.153 84.312,154.38 85.53,154.38
LPC_AD0: P2.B4
LPC_AD1: P2.B5
LPC_AD2: P2.B6
LPC_AD3: P2.B7
LPC_CLK: P2.B10
LPC_SERIRQ: P2.A50
MAIN_POWER_LED: U4.3 U7.2 | length 167.2
  Top Layer w0.2: U7.2@20.889,142.748 21.539,142.748 23.038,144.247 34.265,144.247 v1(34.265,144.202) ; U4.3@122.527,87.768 122.53,87.765 v1(122.53,85.954)
  Mid-Layer 2 w0.2: v1(34.265,144.202) 34.265,84.023 35.306,82.982 v1(35.331,82.982)
  Mid-Layer 3 w0.2: v1(35.331,82.982) 100.381,82.982 104.75,87.351 106.248,87.351 106.553,87.046 121.488,87.046 122.555,85.979 v1(122.53,85.954)
MDI0_N: J5.10 P2.A12 | length 26.2
  Top Layer w0.21: v1(42.037,99.111) 41.972,99.176 41.972,100.163 42.192,100.383 42.192,101.848 42.052,101.988 P2.A12@42.052,102.71
  Bottom Layer w0.21: J5.10@27.294,87.374 28.448,88.528 28.448,89.535 28.702,89.789 28.702,93.599 30.48,95.377 35.92,95.377 39.654,99.111 v1(42.037,99.111)
MDI0_P: J5.11 P2.A13 | length 24.3
  Top Layer w0.21: v1(42.552,99.898) P2.A13@42.552,102.71
  Bottom Layer w0.21: J5.11@27.294,89.404 28.321,90.431 28.321,93.727 30.331,95.737 35.771,95.737 39.505,99.471 41.483,99.471 41.91,99.898 v1(42.552,99.898)
MDI1_N: J5.5 P2.A9 | length 24.7
  Top Layer w0.21: J5.5@24.754,88.394 25.857,89.497 25.857,92.672 26.445,93.259 33.009,93.259 40.552,100.802 P2.A9@40.552,102.71
MDI1_P: J5.4 P2.A10 | length 26.9
  Top Layer w0.21: J5.4@24.754,86.364 26.217,87.827 26.217,92.522 26.594,92.899 33.158,92.899 41.052,100.793 P2.A10@41.052,102.71
MDI2_N: J5.2 P2.A6 | length 33.7
  Top Layer w0.21: J5.2@24.754,82.304 23.844,83.214 22.804,83.214 21.636,84.382 21.636,90.548 25.373,94.285 32.512,94.285 39.052,100.825 P2.A6@39.052,102.71
MDI2_P: J5.3 P2.A7 | length 33.1
  Top Layer w0.21: 23.993,83.574 22.954,83.574 21.996,84.531 21.996,90.399 25.523,93.925 32.661,93.925 39.552,100.816 P2.A7@39.552,102.71 ; 23.994,83.574 J5.3@24.754,84.334
MDI3_N: J5.9 P2.A3 | length 43
  Top Layer w0.21: J5.9@27.294,83.314 25.857,81.877 25.857,79.4 25.4,78.943 23.495,78.943 23.114,79.324 23.114,81.713 20.955,83.872 20.955,90.957 24.917,94.92 32.204,94.92 37.552,100.268 P2.A3@37.552,102.71
MDI3_P: J5.8 P2.A2 | length 42.4
  Top Layer w0.21: J5.8@27.294,81.284 26.526,81.284 26.217,80.975 26.217,79.251 25.655,78.689 25.549,78.583 23.346,78.583 22.754,79.175 22.754,81.564 20.595,83.723 20.595,91.107 24.768,95.28 32.055,95.28 37.052,100.277 P2.A2@37.052,102.71
MISC_SIG.SPKR_1: P2.B32 R30.2 | length 116
  Top Layer w0.2: v1(51.918,105.969) 52.197,106.248 52.197,107.239 52.052,107.384 P2.B32@52.052,108.11 ; v1(130.556,80.454) R30.2@131.71,80.454
  Mid-Layer 2 w0.2: v1(50.825,83.972) 52.019,85.166 52.019,88.443 52.984,89.408 52.984,96.85 52.369,97.465 52.369,100.076 52.486,100.192 52.486,100.238 52.527,100.28 52.527,102.972 51.918,103.581 v1(51.918,105.969) ; v1(65.075,83.972) 65.075,79.426 v1(67.056,77.445)
  Mid-Layer 3 w0.2: v1(50.825,83.972) v1(65.075,83.972) ; v1(67.056,77.445) 69.113,75.387 117.259,75.387 117.732,75.861 127.626,75.861 130.556,78.791 v1(130.556,80.454)
NetC4_1: C4.1 U1.1 | length 4.2
  Top Layer w0.2: C4.1@109.912,54.426 109.138,54.426 108.763,54.051 108.763,52.476 109.093,52.146 U1.1@109.944,52.146
NetC4_2: C4.2 D1.5 D1.6 D1.7 D1.8 L1.1 U1.9 | length 13.8
  Top Layer w0.4: U1.9@113.944,51.346 114.744,51.346 115.239,51.841
  Top Layer w0.5: v1(108.585,56.845) 109.893,56.845 C4.2@109.912,56.826
  Top Layer w1: 115.239,51.841 v1(115.239,52.883) 115.239,54.465 D1.5@115.263,54.489
  Mid-Layer 2 w0.5: v1(108.585,56.845) 109.703,56.845 112.624,53.924 114.198,53.924 v1(115.239,52.883)
  other v2: 117.273,53.111 118.491,53.111 119.709,53.111 117.248,54.153 118.466,54.153 119.684,54.153 117.248,59.766 118.466,59.766 119.684,59.766
NetC9_1: C9.1 R7.2 | length 4.2
  Top Layer w0.2: C9.1@116.942,50.857 117.748,50.857 118.059,50.546 118.059,48.717 118.319,48.457 R7.2@119.07,48.457
NetC9_2: C9.2 C11.2 U1.7 | length 9.6
  Top Layer w0.2: U1.7@113.944,49.746 114.719,49.746 116.008,48.457 C9.2@116.942,48.457 116.942,47.727 117.221,47.447 121.027,47.447 121.342,47.762 C11.2@121.342,48.457
NetC10_2: C10.2 U1.4 | length 4
  Top Layer w0.3: C10.2@107.084,48.19 107.084,49.045 107.785,49.746 U1.4@109.944,49.746
NetC15_1: C15.1 U2.1 | length 2.7
  Top Layer w0.3: C15.1@112.446,147.72 112.446,146.329 112.605,146.17 U2.1@112.605,145.121
NetC15_2: C15.2 D2.5 D2.6 D2.7 D2.8 L2.1 U2.9 | length 21
  Top Layer w0.3: C15.2@112.446,150.12 v1(112.446,151.282) ; U2.9@116.605,144.321 117.575,144.321 117.932,144.678 ; D2.8@118.305,151.684 118.364,151.743 118.364,152.349 118.567,152.552 v1(120.04,152.552)
  Top Layer w0.8: 117.932,144.678 118.305,145.051 D2.5@118.305,147.124 ; D2.6@121.441,147.499 122.302,147.499 122.885,148.082 L2.1@126.416,148.082
  Mid-Layer 2 w0.3: v1(112.446,151.282) 118.77,151.282 v1(120.04,152.552)
  other v2: 119.634,146.431 120.523,146.431 121.412,146.431
NetC20_1: C20.1 R11.2 | length 1.9
  Top Layer w0.3: C20.1@120.193,144.202 R11.2@122.089,144.202
NetC20_2: C20.2 C22.2 U2.7 | length 9.6
  Top Layer w0.3: U2.7@116.605,142.721 117.807,142.721 118.726,141.802 C20.2@120.193,141.802 120.193,141.148 120.625,140.716 123.825,140.716 124.13,141.021 C22.2@124.13,141.802
NetC21_2: C21.2 U2.4 | length 3.3
  Top Layer w0.3: C21.2@109.652,141.916 110.991,141.916 111.796,142.721 U2.4@112.605,142.721
NetC27_2: C27.2 D5.1 R14.2 U4.40 | length 10.5
  Top Layer w0.2: U4.40@124.852,82.443 126.918,82.443 128.111,83.636 R14.2@129.413,83.636 131.783,83.636 D5.1@131.815,83.668
  Top Layer w0.3: C27.2@129.286,80.454 R14.2@129.286,83.509
NetC34_2: C34.2 C35.2 C36.2 C37.2 J5.1 J5.6 J5.7 J5.12 R41.2 | length 34.1
  Top Layer w0.25: J5.7@27.294,79.254 28.555,80.515 30.629,80.515 31.166,81.051 31.166,82.321 31.705,82.861 ; J5.12@27.294,91.434 28.406,90.322 30.836,90.322 31.344,89.814 31.344,88.595 31.744,88.195 ; C34.2@32.639,82.525 C34.2@32.639,82.861 31.705,82.861 ; C36.2@35.179,88.246 R41.2@35.179,90.125 ; C35.2@37.719,88.195 C37.2@32.639,88.195 31.744,88.195 ; 31.705,82.861 31.09,83.477 31.09,87.541 31.744,88.195
  Mid-Layer 2 w0.25: J5.1@24.754,80.274 25.774,79.254 J5.7@27.294,79.254 ; J5.6@24.754,90.424 26.284,90.424 J5.12@27.294,91.434
NetC38_2: C38.2 F7.1 U15.7 | length 14.8
  Top Layer w0.4: U15.7@160.443,149.404 159.183,149.404 158.496,148.717 158.496,144.907 159.512,143.891 F7.1@162.216,143.891 162.216,145.325 162.89,145.999 C38.2@165.103,145.999
NetC39_2: C39.2 U15.6 | length 4.9
  Top Layer w0.4: C39.2@155.702,151.009 157.982,151.009 158.317,150.674 U15.6@160.443,150.674
NetC44_2: C44.2 F2.2 P7.8 | length 9.8
  Top Layer w0.3: C44.2@132.461,108.007 134.239,108.007 134.239,107.937 ; F2.2@134.239,106.864 134.239,107.937 ; P7.8@137.97,112.285 136.263,112.285 134.493,110.515 134.493,108.191 134.239,107.937
NetC45_1: C45.1 U16.1 | length 3.8
  Top Layer w0.3: C45.1@123.514,115.951 123.514,116.992 124.048,117.526 124.866,117.526 125.095,117.754 U16.1@125.095,118.658
NetC45_2: C45.2 U16.2 | length 4.7
  Top Layer w0.3: U16.2@125.095,119.308 126.107,119.308 126.416,118.999 126.416,117.653 125.914,117.151 C45.2@125.914,115.951
NetC47_1: C47.1 R65.1 U16.3 | length 6.7
  Top Layer w0.3: U16.3@125.095,119.958 126.498,119.958 126.924,119.532 126.924,119.101 127.73,118.294 R65.1@128.841,118.294 C47.1@130.81,118.294
NetC48_2: C48.2 C49.2 R66.1 R68.1 R69.1 R70.1 R71.1 R72.1 U16.15 | length 54.2
  Top Layer w0.21: C49.2@110.801,125.857 110.801,124.962 111.136,124.627 R69.1@113.233,124.627 R68.1@113.233,122.309 113.233,121.26 113.417,121.076 R71.1@113.417,120.124 ; R70.1@115.366,117.724 115.366,118.416 115.189,118.593 114.656,118.593 114.097,119.151 113.741,119.151 113.417,119.476 R71.1@113.417,120.124 ; R72.1@119.247,116.027 112.979,116.027 112.319,116.688 112.319,119.837 112.624,120.142 113.399,120.142 R71.1@113.417,120.124
  Top Layer w0.3: R69.1@113.233,124.627 113.233,125.476 113.427,125.67 113.589,125.67 ; v1(113.233,126.771) 113.233,126.025 113.589,125.67 ; U16.15@119.495,127.108 118.637,127.108 118.11,127.635 117.221,127.635 116.738,127.152 116.738,126.152 116.256,125.67 113.589,125.67 ; R66.1@126.568,132.609 v1(126.568,133.858)
  Top Layer w0.5: C49.2@110.801,125.857 C48.2@110.801,127.762
  Mid-Layer 3 w0.3: v1(113.233,126.771) 115.519,126.771 118.872,130.124 125.196,130.124 126.568,131.497 v1(126.568,133.858)
NetC51_2: C51.2 R75.1 R76.2 U19.19 | length 91.5
  Top Layer w0.15: v1(58.572,151.714) 58.579,151.708 U19.19@58.579,150.249
  Top Layer w0.3: v1(119.57,131.851) R75.1@119.57,130.437 R76.2@121.742,130.437 C51.2@121.742,132.596
  Mid-Layer 2 w0.2: v1(58.09,132.537) 57.556,133.071 57.556,133.629 57.175,134.01 57.175,139.624 58.572,141.021 v1(58.572,151.714)
  Mid-Layer 3 w0.2: v1(58.09,132.537) 58.852,132.537 60.909,130.48 71.298,130.48 72.06,129.718 82.956,129.718 83.718,128.956 109.347,128.956 112.243,131.851 v1(119.57,131.851)